# KiCad board Scopefun_v2.kicad_pcb (continued)
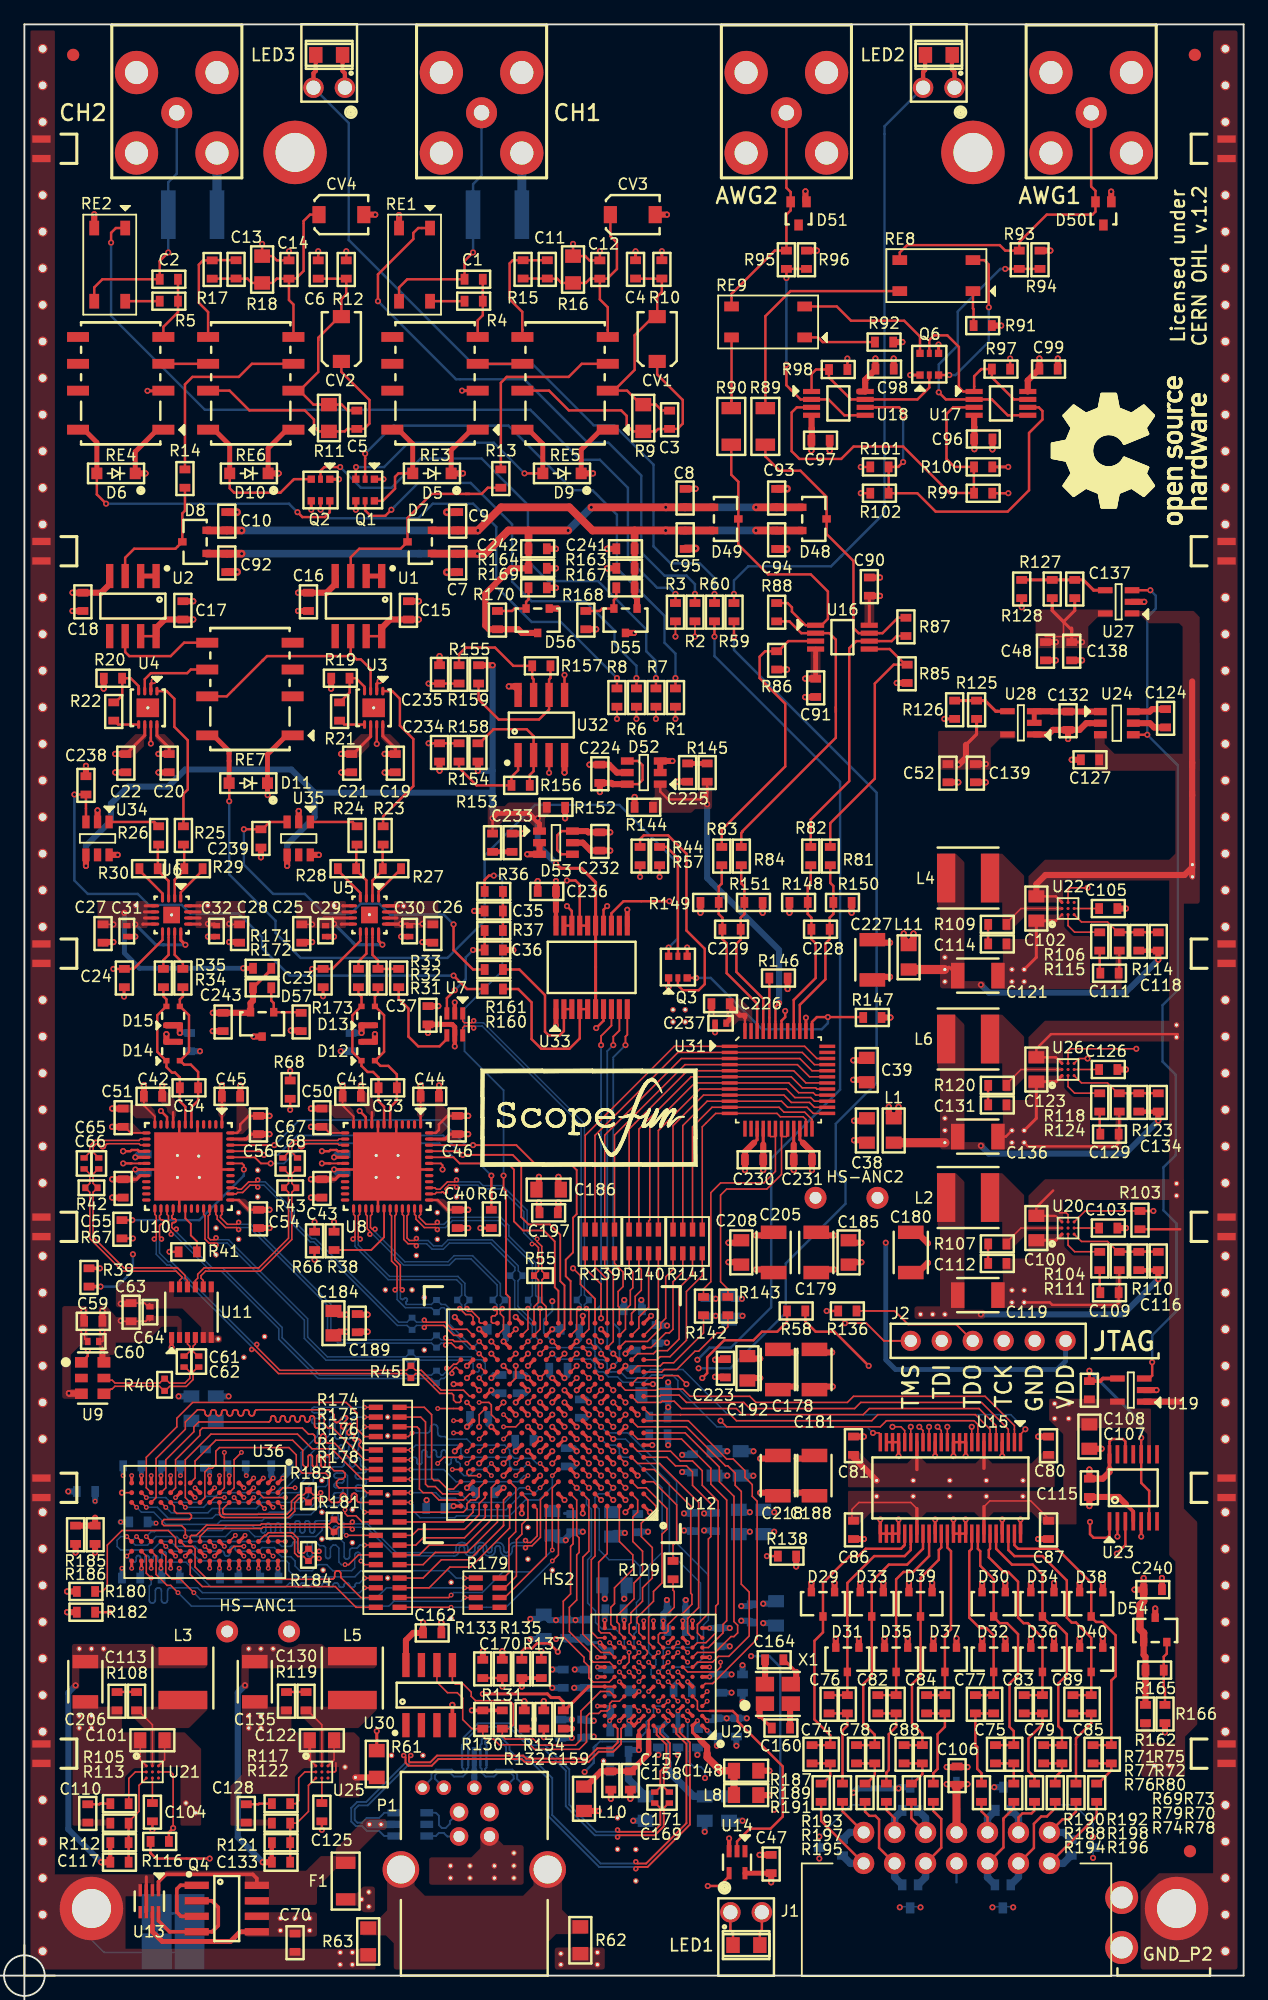
[diagram p0: board, top side]
## Placement (name value [footprint] x y rotation side) (continued)
R139  RA_27R  [R_CRA06E]  47.2 60.2 90 top
R140  RA_27R  [R_CRA06E]  50.8 60.2 90 top
R141  RA_27R  [R_CRA06E]  54.4 60.2 90 top
R142  R_56R  [R_0603]  55.7 54.9 0 top
R143  R_56R  [R_0603]  57.7 54.9 0 top
R144  R_1.02k  [R_0603]  50.8 95.8 270 top
R145  R_56R  [R_0603]  56 98.65 180 top
R146  R_4k7  [R_0603]  61.85 81.8 270 top
R147  R_4k7  [R_0603]  69.55 78.57 270 top
R148  R_100R  [R_0603]  63.5 88 270 top
R149  R_100R  [R_0603]  56.2 88 270 top
R150  R_100R  [R_0603]  67.1 88 90 top
R151  R_100R  [R_0603]  59.8 88 90 top
R152  R_1.02k  [R_0603]  43.6 95.8 90 top
R153  R_56R  [R_0603]  38.4 92.9 0 top
R154  R_1.02k  [R_0603]  37.2 100.3 0 top
R155  R_1.02k  [R_0603]  37.25 106.7 180 top
R156  R_1.02k  [R_0603]  40.7 97.6 90 top
R157  R_1.02k  [R_0603]  42.4 107.4 90 top
R158  R_1.02k  [R_0603]  35.65 100.3 0 top
R159  R_1.02k  [R_0603]  35.65 106.7 180 top
R160  R_1.02k  [R_0603]  38.5 80.9 90 top
R161  R_1.02k  [R_0603]  38.5 82.5 90 top
R162  R_1.02k  [R_0603]  91.95 21.45 0 top
R163  R_1.02k  [R_0603]  49.3 115.4 270 top
R164  R_1.02k  [R_0603]  42.1 115.4 90 top
R165  R_6.8k  [R_0603]  92.7 25.05 90 top
R166  R_22k  [R_0603]  93.55 21.45 0 top
R167  R_1.02k  [R_0603]  49.3 113.8 270 top
R168  R_6.8k  [R_0603]  46.05 111.15 0 top
R169  R_1.02k  [R_0603]  42.1 113.8 270 top
R170  R_6.8k  [R_0603]  38.8 111.15 0 top
R171  R_1.02k  [R_0603]  19.5 82.6 270 top
R172  R_200R  [R_0603]  19.5 81 90 top
R173  R_1.02k  [R_0603]  22.7 78.2 0 top
R174  RA_27R  [R_CRA06E]  29.8 45.4 180 top
R175  RA_27R  [R_CRA06E]  29.8 41.9 180 top
R176  RA_27R  [R_CRA06E]  29.8 38.4 180 top
R177  RA_27R  [R_CRA06E]  29.8 34.9 180 top
R178  RA_27R  [R_CRA06E]  29.8 31.4 180 top
R179  RA_27R  [R_CRA06E]  38 31.4 180 top
R180  R_240R  [R_0603]  5.05 31.5 270 top
R181  R_100  [R_0402]  25.4 36.9 180 top
R182  R_4k7  [R_0603]  5.05 29.8 270 top
R183  R_100  [R_0402]  23.3 39.3 0 top
R184  R_100  [R_0402]  23.3 34.5 0 top
R185  R_1.02k  [R_0603]  5.8 36.15 180 top
R186  R_1.02k  [R_0603]  4.2 36.15 0 top
R187  R_56R  [R_0603]  65.35 15 0 top
R188  R_56R  [R_0603]  81.15 15 0 top
R189  R_56R  [R_0603]  67.1 15 0 top
R190  R_56R  [R_0603]  78.5 15 0 top
R191  R_56R  [R_0603]  68.95 15 0 top
R192  R_56R  [R_0603]  84.55 15 0 top
R193  R_56R  [R_0603]  70.7 15 0 top
R194  R_56R  [R_0603]  82.85 15 0 top
R195  R_56R  [R_0603]  74.55 15 0 top
R196  R_56R  [R_0603]  87.95 15 0 top
R197  R_56R  [R_0603]  72.75 15 0 top
R198  R_56R  [R_0603]  86.25 15 0 top
RE1  AQY282SX  [SOP-4]  32 140.3 90 top
RE2  AQY282SX  [SOP-4]  7 140.3 90 top
RE3  G6K-2F-Y-DC4.5  [G6K-2F-Y]  33.68 130.57 180 top
RE4  G6K-2F-Y-DC4.5  [G6K-2F-Y]  7.9 130.57 180 top
RE5  G6K-2F-Y-DC4.5  [G6K-2F-Y]  44.35 130.57 180 top
RE6  G6K-2F-Y-DC4.5  [G6K-2F-Y]  18.57 130.57 180 top
RE7  G6K-2F-Y-DC4.5  [G6K-2F-Y]  18.5 105.5 180 top
RE8  AQY282SX  [SOP-4]  74.8 139.4 0 top
RE9  AQY282SX  [SOP-4]  61 135.6 0 top
SHLD1  SHLD_FINGER_0820  [EMI_SHLD_FINGER_0820]  1.4 18.2 90 top
SHLD2  SHLD_FINGER_0820  [EMI_SHLD_FINGER_0820]  98.6 18.2 270 top
SHLD3  SHLD_FINGER_0820  [EMI_SHLD_FINGER_0820]  1.4 40 90 top
SHLD4  SHLD_FINGER_0820  [EMI_SHLD_FINGER_0820]  98.6 40 270 top
SHLD5  SHLD_FINGER_0820  [EMI_SHLD_FINGER_0820]  1.4 61.4 90 top
SHLD6  SHLD_FINGER_0820  [EMI_SHLD_FINGER_0820]  98.6 61.4 270 top
SHLD7  SHLD_FINGER_0820  [EMI_SHLD_FINGER_0820]  1.4 83.8 90 top
SHLD8  SHLD_FINGER_0820  [EMI_SHLD_FINGER_0820]  98.6 83.8 270 top
SHLD9  SHLD_FINGER_0820  [EMI_SHLD_FINGER_0820]  1.4 116.8 90 top
SHLD10  SHLD_FINGER_0820  [EMI_SHLD_FINGER_0820]  98.6 116.8 270 top
SHLD11  SHLD_FINGER_0820  [EMI_SHLD_FINGER_0820]  1.4 149.8 90 top
SHLD12  SHLD_FINGER_0820  [EMI_SHLD_FINGER_0820]  98.6 149.8 270 top
SLP1  SLP3-300-100-F  [SLP3-300-100-R]  59.2 2.5 270 top
SLP2  SLP3-300-100-F  [SLP3-300-100-R]  75 157.5 90 top
SLP3  SLP3-300-100-F  [SLP3-300-100-R]  25 157.5 90 top
U1  ADA4817-1  [SOIC8]  27.4 112.3 270 top
U2  ADA4817-1  [SOIC8]  8.9 112.3 270 top
U3  AD8337  [CP-8-2]  28.65 103.96 0 top
U4  AD8337  [CP-8-2]  10.12 103.96 0 top
U5  ADA4932-1  [CP-16-2]  28.3 86.97 0 top
U6  ADA4932-1  [CP-16-2]  12.08 86.97 0 top
U7  LTC6754  [SC70-6]  35.3 78 0 top
U8  KAD5510P-25Q48  [L48.7x7E]  29.75 66.35 270 top
U9  SG3225VAN-250Mhz  [3.2X2.5_SMD_6_EPSON]  5.6 49 0 top
U10  KAD5510P-25Q48  [L48.7x7E]  13.45 66.35 270 top
U11  LTC6957-2  [12-MSOP]  13.7 54.4 90 top
U12  XC7A35T-FTG256  [BGA256_FTG256]  43.3 46 270 top
U13  LTC4360-1  [SC70]  10.25 6.1 0 top
U14  SN74AUP1T17DCKR  [SC70-5]  58.45 9.3 180 top
U15  74AVCH16T245  [TSSOP48]  75.95 39.99 270 top
U16  OPA2830  [TSSOP8]  67.09 109.75 0 top
U17  LM393DGK  [TSSOP8]  80.1 128.92 0 top
U18  LM393DGK  [TSSOP8]  66.76 128.92 0 top
U19  SPX3819  [SOT23-5_EXAR]  90.75 48.01 270 top
U20  MAX15053  [WLP-9]  85.6 61.3 90 top
U21  MAX15053  [WLP-9]  10.5 16.7 0 top
U22  MAX15053  [WLP-9]  85.6 87.5 90 top
U23  MCP4251  [TSSOP14]  90.95 40 90 top
U24  LM2776  [SOT23-6]  89.6 102.7 270 top
U25  MAX15053  [WLP-9]  24.4 16.7 0 top
U26  MAX15053  [WLP-9]  85.6 74.3 90 top
U27  SPX3819  [SOT23-5_EXAR]  89.75 112.65 270 top
U28  TPS72301  [SOT23-5]  81.73 102.73 90 top
U29  CYUSB3014  [BGA121_0.8mm]  51.6 24.5 180 top
U30  M24M02-DR  [SOIC8]  33.2 23 90 top
U31  DAC5662  [S-PQFP-G48]  61.85 73.45 90 top
U32  AZ4558C  [SOIC8]  42.4 102.55 90 top
U33  MAX5501  [SSOP20]  46.53 82.68 90 top
U34  OPA692  [SOT23-6]  6 93.25 180 top
U35  OPA692  [SOT23-6]  22.5 93.25 180 top
U36  IS43TR16256A-125KBL  [TW-BGA-96]  14.8 37.2 270 top
VIA  VIA-0.5-0.3mm  [VIA-0.5mm-0.3mm]  21 4.7 0 top
VIA#2  VIA-0.5-0.3mm  [VIA-0.5mm-0.3mm]  13.25 14.15 0 top
VIA#3  VIA-0.8-0.6mm  [VIA-0.8mm-0.6mm]  1.5 2 0 top
VIA#4  VIA-0.8-0.6mm  [VIA-0.8mm-0.6mm]  1.5 5 0 top
VIA#5  VIA-0.8-0.6mm  [VIA-0.8mm-0.6mm]  1.5 8 0 top
VIA#6  VIA-0.8-0.6mm  [VIA-0.8mm-0.6mm]  1.5 11 0 top
VIA#7  VIA-0.8-0.6mm  [VIA-0.8mm-0.6mm]  1.5 14.4 0 top
VIA#8  VIA-0.8-0.6mm  [VIA-0.8mm-0.6mm]  1.5 20 0 top
VIA#9  VIA-0.8-0.6mm  [VIA-0.8mm-0.6mm]  1.5 23 0 top
VIA#10  VIA-0.8-0.6mm  [VIA-0.8mm-0.6mm]  1.5 26 0 top
VIA#11  VIA-0.8-0.6mm  [VIA-0.8mm-0.6mm]  1.5 29 0 top
VIA#12  VIA-0.8-0.6mm  [VIA-0.8mm-0.6mm]  1.5 32 0 top
VIA#13  VIA-0.8-0.6mm  [VIA-0.8mm-0.6mm]  1.5 35 0 top
VIA#14  VIA-0.8-0.6mm  [VIA-0.8mm-0.6mm]  1.5 38 0 top
VIA#15  VIA-0.8-0.6mm  [VIA-0.8mm-0.6mm]  1.5 47 0 top
VIA#16  VIA-0.8-0.6mm  [VIA-0.8mm-0.6mm]  1.5 50 0 top
VIA#17  VIA-0.8-0.6mm  [VIA-0.8mm-0.6mm]  1.5 53 0 top
VIA#18  VIA-0.8-0.6mm  [VIA-0.8mm-0.6mm]  1.5 56 0 top
VIA#19  VIA-0.8-0.6mm  [VIA-0.8mm-0.6mm]  1.5 59 0 top
VIA#20  VIA-0.8-0.6mm  [VIA-0.8mm-0.6mm]  1.5 65 0 top
VIA#21  VIA-0.8-0.6mm  [VIA-0.8mm-0.6mm]  1.5 68 0 top
VIA#22  VIA-0.8-0.6mm  [VIA-0.8mm-0.6mm]  1.5 71 0 top
VIA#23  VIA-0.8-0.6mm  [VIA-0.8mm-0.6mm]  1.5 74 0 top
VIA#24  VIA-0.8-0.6mm  [VIA-0.8mm-0.6mm]  1.5 77 0 top
VIA#25  VIA-0.8-0.6mm  [VIA-0.8mm-0.6mm]  1.5 80 0 top
VIA#26  VIA-0.8-0.6mm  [VIA-0.8mm-0.6mm]  1.5 86 0 top
VIA#27  VIA-0.8-0.6mm  [VIA-0.8mm-0.6mm]  1.5 89 0 top
VIA#28  VIA-0.8-0.6mm  [VIA-0.8mm-0.6mm]  1.5 92 0 top
VIA#29  VIA-0.8-0.6mm  [VIA-0.8mm-0.6mm]  1.5 95 0 top
VIA#30  VIA-0.8-0.6mm  [VIA-0.8mm-0.6mm]  1.5 98 0 top
VIA#31  VIA-0.8-0.6mm  [VIA-0.8mm-0.6mm]  1.5 101 0 top
VIA#32  VIA-0.8-0.6mm  [VIA-0.8mm-0.6mm]  1.5 104 0 top
VIA#33  VIA-0.8-0.6mm  [VIA-0.8mm-0.6mm]  1.5 107 0 top
VIA#34  VIA-0.8-0.6mm  [VIA-0.8mm-0.6mm]  1.5 110 0 top
VIA#35  VIA-0.8-0.6mm  [VIA-0.8mm-0.6mm]  1.5 113 0 top
VIA#36  VIA-0.8-0.6mm  [VIA-0.8mm-0.6mm]  1.5 119 0 top
VIA#37  VIA-0.8-0.6mm  [VIA-0.8mm-0.6mm]  1.5 122 0 top
VIA#38  VIA-0.8-0.6mm  [VIA-0.8mm-0.6mm]  1.5 125 0 top
VIA#39  VIA-0.8-0.6mm  [VIA-0.8mm-0.6mm]  1.5 128 0 top
VIA#40  VIA-0.8-0.6mm  [VIA-0.8mm-0.6mm]  1.5 131 0 top
VIA#41  VIA-0.8-0.6mm  [VIA-0.8mm-0.6mm]  1.5 134 0 top
VIA#42  VIA-0.8-0.6mm  [VIA-0.8mm-0.6mm]  1.5 137 0 top
VIA#43  VIA-0.8-0.6mm  [VIA-0.8mm-0.6mm]  1.5 140 0 top
VIA#44  VIA-0.8-0.6mm  [VIA-0.8mm-0.6mm]  1.5 143 0 top
VIA#45  VIA-0.8-0.6mm  [VIA-0.8mm-0.6mm]  1.5 152 0 top
VIA#46  VIA-0.8-0.6mm  [VIA-0.8mm-0.6mm]  1.5 155 0 top
VIA#47  VIA-0.8-0.6mm  [VIA-0.8mm-0.6mm]  1.5 158 0 top
VIA#48  VIA-0.8-0.6mm  [VIA-0.8mm-0.6mm]  98.5 2 0 top
VIA#49  VIA-0.8-0.6mm  [VIA-0.8mm-0.6mm]  98.5 5 0 top
VIA#50  VIA-0.8-0.6mm  [VIA-0.8mm-0.6mm]  98.5 8 0 top
VIA#51  VIA-0.8-0.6mm  [VIA-0.8mm-0.6mm]  98.5 11 0 top
VIA#52  VIA-0.8-0.6mm  [VIA-0.8mm-0.6mm]  98.5 14 0 top
VIA#53  VIA-0.8-0.6mm  [VIA-0.8mm-0.6mm]  98.5 20 0 top
VIA#54  VIA-0.8-0.6mm  [VIA-0.8mm-0.6mm]  98.5 23 0 top
VIA#55  VIA-0.8-0.6mm  [VIA-0.8mm-0.6mm]  98.5 26 0 top
VIA#56  VIA-0.8-0.6mm  [VIA-0.8mm-0.6mm]  98.5 29 0 top
VIA#57  VIA-0.8-0.6mm  [VIA-0.8mm-0.6mm]  98.5 32 0 top
VIA#58  VIA-0.8-0.6mm  [VIA-0.8mm-0.6mm]  98.5 35 0 top
VIA#59  VIA-0.8-0.6mm  [VIA-0.8mm-0.6mm]  98.5 38 0 top
VIA#60  VIA-0.8-0.6mm  [VIA-0.8mm-0.6mm]  98.5 44 0 top
VIA#61  VIA-0.8-0.6mm  [VIA-0.8mm-0.6mm]  98.5 47 0 top
VIA#62  VIA-0.8-0.6mm  [VIA-0.8mm-0.6mm]  98.5 50 0 top
VIA#63  VIA-0.8-0.6mm  [VIA-0.8mm-0.6mm]  98.5 53 0 top
VIA#64  VIA-0.8-0.6mm  [VIA-0.8mm-0.6mm]  98.5 56 0 top
VIA#65  VIA-0.8-0.6mm  [VIA-0.8mm-0.6mm]  98.5 59 0 top
VIA#66  VIA-0.8-0.6mm  [VIA-0.8mm-0.6mm]  98.5 65 0 top
VIA#67  VIA-0.8-0.6mm  [VIA-0.8mm-0.6mm]  98.5 68 0 top
VIA#68  VIA-0.8-0.6mm  [VIA-0.8mm-0.6mm]  98.5 71 0 top
VIA#69  VIA-0.8-0.6mm  [VIA-0.8mm-0.6mm]  98.5 74 0 top
VIA#70  VIA-0.8-0.6mm  [VIA-0.8mm-0.6mm]  98.5 77 0 top
VIA#71  VIA-0.8-0.6mm  [VIA-0.8mm-0.6mm]  98.5 80 0 top
VIA#72  VIA-0.8-0.6mm  [VIA-0.8mm-0.6mm]  98.5 86 0 top
VIA#73  VIA-0.8-0.6mm  [VIA-0.8mm-0.6mm]  98.5 89 0 top
VIA#74  VIA-0.8-0.6mm  [VIA-0.8mm-0.6mm]  98.5 92 0 top
VIA#75  VIA-0.8-0.6mm  [VIA-0.8mm-0.6mm]  98.5 95 0 top
VIA#76  VIA-0.8-0.6mm  [VIA-0.8mm-0.6mm]  98.5 98 0 top
VIA#77  VIA-0.8-0.6mm  [VIA-0.8mm-0.6mm]  98.5 101 0 top
VIA#78  VIA-0.8-0.6mm  [VIA-0.8mm-0.6mm]  98.5 104 0 top
VIA#79  VIA-0.8-0.6mm  [VIA-0.8mm-0.6mm]  98.5 107 0 top
VIA#80  VIA-0.8-0.6mm  [VIA-0.8mm-0.6mm]  98.5 110 0 top
VIA#81  VIA-0.8-0.6mm  [VIA-0.8mm-0.6mm]  98.5 113 0 top
VIA#82  VIA-0.8-0.6mm  [VIA-0.8mm-0.6mm]  98.5 119 0 top
VIA#83  VIA-0.8-0.6mm  [VIA-0.8mm-0.6mm]  98.5 122 0 top
VIA#84  VIA-0.8-0.6mm  [VIA-0.8mm-0.6mm]  98.5 125 0 top
VIA#85  VIA-0.8-0.6mm  [VIA-0.8mm-0.6mm]  98.5 128 0 top
VIA#86  VIA-0.8-0.6mm  [VIA-0.8mm-0.6mm]  98.5 131 0 top
VIA#87  VIA-0.8-0.6mm  [VIA-0.8mm-0.6mm]  98.5 134 0 top
VIA#88  VIA-0.8-0.6mm  [VIA-0.8mm-0.6mm]  98.5 137 0 top
VIA#89  VIA-0.8-0.6mm  [VIA-0.8mm-0.6mm]  98.5 140 0 top
VIA#90  VIA-0.8-0.6mm  [VIA-0.8mm-0.6mm]  98.5 143 0 top
VIA#91  VIA-0.8-0.6mm  [VIA-0.8mm-0.6mm]  98.5 146 0 top
VIA#92  VIA-0.8-0.6mm  [VIA-0.8mm-0.6mm]  98.5 152 0 top
VIA#93  VIA-0.8-0.6mm  [VIA-0.8mm-0.6mm]  98.5 155 0 top
VIA#94  VIA-0.8-0.6mm  [VIA-0.8mm-0.6mm]  98.5 158 0 top
VIA#95  VIA-0.45-0.25mm  [VIA-0.5mm-0.3mm]  81.9 40.6 0 top
VIA#96  VIA-0.45-0.25mm  [VIA-0.5mm-0.3mm]  78.9 40.6 0 top
VIA#97  VIA-0.45-0.25mm  [VIA-0.5mm-0.3mm]  75.9 40.6 0 top
VIA#98  VIA-0.45-0.25mm  [VIA-0.5mm-0.3mm]  72.9 40.6 0 top
VIA#99  VIA-0.45-0.25mm  [VIA-0.5mm-0.3mm]  69.9 40.6 0 top
VIA#100  VIA-0.45-0.25mm  [VIA-0.5mm-0.3mm]  81.9 39.3 0 top
VIA#101  VIA-0.45-0.25mm  [VIA-0.5mm-0.3mm]  78.9 39.3 0 top
VIA#102  VIA-0.45-0.25mm  [VIA-0.5mm-0.3mm]  75.9 39.3 0 top
VIA#103  VIA-0.45-0.25mm  [VIA-0.5mm-0.3mm]  72.9 39.3 0 top
VIA#104  VIA-0.45-0.25mm  [VIA-0.5mm-0.3mm]  69.9 39.3 0 top
VIA#105  VIA-0.45-0.25mm  [VIA-0.5mm-0.3mm]  85.65 45.68 0 top
VIA#106  VIA-0.45-0.25mm  [VIA-0.5mm-0.3mm]  28.25 5.65 90 top
VIA#107  VIA-0.45-0.25mm  [VIA-0.5mm-0.3mm]  28.25 6.85 90 top
VIA#108  VIA-0.45-0.25mm  [VIA-0.45mm-0.25mm]  15.9 52.2 0 top
VIA#109  VIA-0.45-0.25mm  [VIA-0.45mm-0.25mm]  75.5 54.22 90 top
VIA#110  VIA-0.45-0.25mm  [VIA-0.45mm-0.25mm]  75.5 68.3 0 top
VIA#111  VIA-0.45-0.25mm  [VIA-0.45mm-0.25mm]  75.5 69.3 0 top
VIA#112  VIA-0.45-0.25mm  [VIA-0.45mm-0.25mm]  74.5 54.22 90 top
VIA#113  VIA-0.45-0.25mm  [VIA-0.5mm-0.3mm]  4.5 21.3 0 top
VIA#114  VIA-0.45-0.25mm  [VIA-0.5mm-0.3mm]  5.5 21.3 0 top
VIA#115  VIA-0.45-0.25mm  [VIA-0.5mm-0.3mm]  4.5 20.3 0 top
VIA#116  VIA-0.45-0.25mm  [VIA-0.5mm-0.3mm]  5.5 20.3 0 top
VIA#117  VIA-0.45-0.25mm  [VIA-0.5mm-0.3mm]  19.4 20.3 0 top
VIA#118  VIA-0.45-0.25mm  [VIA-0.5mm-0.3mm]  18.4 21.3 0 top
VIA#119  VIA-0.45-0.25mm  [VIA-0.5mm-0.3mm]  18.4 20.3 0 top
VIA#120  VIA-0.45-0.25mm  [VIA-0.5mm-0.3mm]  19.4 21.3 0 top
VIA#121  VIA-0.45-0.25mm  [VIA-0.5mm-0.3mm]  82 55.2 0 top
VIA#122  VIA-0.45-0.25mm  [VIA-0.5mm-0.3mm]  81 56.2 0 top
VIA#123  VIA-0.45-0.25mm  [VIA-0.5mm-0.3mm]  81 55.2 0 top
VIA#124  VIA-0.45-0.25mm  [VIA-0.5mm-0.3mm]  82 56.2 0 top
VIA#125  VIA-0.45-0.25mm  [VIA-0.5mm-0.3mm]  82 68.3 0 top
VIA#126  VIA-0.45-0.25mm  [VIA-0.5mm-0.3mm]  82 69.3 0 top
VIA#127  VIA-0.45-0.25mm  [VIA-0.5mm-0.3mm]  81 69.3 0 top
VIA#128  VIA-0.45-0.25mm  [VIA-0.5mm-0.3mm]  81 68.3 0 top
VIA#129  VIA-0.45-0.25mm  [VIA-0.5mm-0.3mm]  81 82.5 0 top
VIA#130  VIA-0.45-0.25mm  [VIA-0.5mm-0.3mm]  81 81.5 0 top
VIA#131  VIA-0.45-0.25mm  [VIA-0.5mm-0.3mm]  82 82.5 0 top
VIA#132  VIA-0.45-0.25mm  [VIA-0.5mm-0.3mm]  82 81.5 0 top
VIA#133  VIA-0.45-0.25mm  [VIA-0.45mm-0.25mm]  73.5 54.22 90 top
VIA#134  VIA-0.45-0.25mm  [VIA-0.45mm-0.25mm]  75.5 70.3 0 top
VIA#135  VIA-0.45-0.25mm  [VIA-0.45mm-0.25mm]  75.5 82.5 0 top
VIA#136  VIA-0.45-0.25mm  [VIA-0.45mm-0.25mm]  75.5 81.5 0 top
VIA#137  VIA-0.45-0.25mm  [VIA-0.45mm-0.25mm]  75.5 83.5 0 top
VIA#138  VIA-0.45-0.25mm  [VIA-0.45mm-0.25mm]  18.4 26.8 270 top
VIA#139  VIA-0.45-0.25mm  [VIA-0.45mm-0.25mm]  19.4 26.8 270 top
VIA#140  VIA-0.45-0.25mm  [VIA-0.45mm-0.25mm]  20.4 26.8 270 top
VIA#141  VIA-0.45-0.25mm  [VIA-0.45mm-0.25mm]  4.5 26.8 270 top
VIA#142  VIA-0.45-0.25mm  [VIA-0.45mm-0.25mm]  5.5 26.8 270 top
VIA#143  VIA-0.45-0.25mm  [VIA-0.45mm-0.25mm]  6.5 26.8 270 top
VIA#144  VIA-0.5-0.3mm  [VIA-0.5mm-0.3mm]  14.05 13.35 0 top
VIA#145  VIA-0.5-0.3mm  [VIA-0.5mm-0.3mm]  27.15 16.25 0 top
VIA#146  VIA-0.5-0.3mm  [VIA-0.5mm-0.3mm]  26.3 17.1 0 top
VIA#147  VIA-0.45-0.25mm  [VIA-0.5mm-0.3mm]  26.9 1.9 0 top
VIA#148  VIA-0.45-0.25mm  [VIA-0.5mm-0.3mm]  26.9 0.9 0 top
VIA#149  VIA-0.45-0.25mm  [VIA-0.5mm-0.3mm]  85.65 46.9 0 top
VIA#150  VIA-0.45-0.25mm  [VIA-0.5mm-0.3mm]  12.55 67.25 0 top
VIA#151  VIA-0.45-0.25mm  [VIA-0.5mm-0.3mm]  12.08 86.97 0 top
VIA#152  VIA-0.45-0.25mm  [VIA-0.5mm-0.3mm]  28.3 87 0 top
VIA#153  VIA-0.45-0.25mm  [VIA-0.5mm-0.3mm]  10.12 103.96 0 top
VIA#154  VIA-0.45-0.25mm  [VIA-0.5mm-0.3mm]  28.65 103.96 0 top
VIA#155  VIA-0.45-0.25mm  [VIA-0.45mm-0.25mm]  32.8 51.3 0 top
VIA#156  VIA-0.45-0.25mm  [VIA-0.45mm-0.25mm]  32.8 55.6 0 top
VIA#157  VIA-0.45-0.25mm  [VIA-0.45mm-0.25mm]  9.15 87.75 0 top
VIA#158  VIA-0.45-0.25mm  [VIA-0.45mm-0.25mm]  25.4 87.73 0 top
VIA#159  VIA-0.45-0.25mm  [VIA-0.45mm-0.25mm]  31.1 87.7 0 top
VIA#160  VIA-0.45-0.25mm  [VIA-0.45mm-0.25mm]  15.05 87.75 0 top
VIA#161  VIA-0.45-0.25mm  [VIA-0.45mm-0.25mm]  53.2 79.2 0 top
VIA#162  VIA-0.45-0.25mm  [VIA-0.45mm-0.25mm]  54.2 79.2 0 top
VIA#163  VIA-0.45-0.25mm  [VIA-0.45mm-0.25mm]  53.2 78.2 0 top
VIA#164  VIA-0.45-0.25mm  [VIA-0.45mm-0.25mm]  54.2 78.2 0 top
VIA#165  VIA-0.5-0.3mm  [VIA-0.5mm-0.3mm]  23.4 4.7 0 top
VIA#166  VIA-0.5-0.3mm  [VIA-0.5mm-0.3mm]  23.4 3.7 0 top
VIA#167  VIA-0.5-0.3mm  [VIA-0.5mm-0.3mm]  21 3.7 0 top
VIA#168  VIA-0.45-0.25mm  [VIA-0.5mm-0.3mm]  25.9 1.9 0 top
VIA#169  VIA-0.5-0.3mm  [VIA-0.5mm-0.3mm]  22.2 4.7 0 top
VIA#170  VIA-0.5-0.3mm  [VIA-0.5mm-0.3mm]  92.7 17.2 0 top
VIA#171  VIA-0.5-0.3mm  [VIA-0.5mm-0.3mm]  93.9 17.2 0 top
VIA#172  VIA-0.45-0.25mm  [VIA-0.5mm-0.3mm]  27.65 6.25 90 top
VIA#173  VIA-0.45-0.25mm  [VIA-0.5mm-0.3mm]  25.9 0.9 0 top
VIA#174  VIA-0.5-0.3mm  [VIA-0.5mm-0.3mm]  94.5 63.95 0 top
VIA#175  VIA-0.5-0.3mm  [VIA-0.5mm-0.3mm]  94.5 64.95 0 top
VIA#176  VIA-0.5-0.3mm  [VIA-0.5mm-0.3mm]  94.5 76.95 0 top
VIA#177  VIA-0.5-0.3mm  [VIA-0.5mm-0.3mm]  94.5 77.95 0 top
VIA#178  VIA-0.5-0.3mm  [VIA-0.5mm-0.3mm]  95.8 91.1 0 top
VIA#179  VIA-0.5-0.3mm  [VIA-0.5mm-0.3mm]  95.8 90.1 0 top
VIA#180  VIA-0.8-0.6mm  [VIA-0.8mm-0.6mm]  1.5 146 0 top
VIA#181  VIA-0.8-0.6mm  [VIA-0.8mm-0.6mm]  1.5 44 0 top
VIA#182  VIA-0.45-0.25mm  [VIA-0.5mm-0.3mm]  47.5 17.6 0 top
VIA#183  VIA-0.45-0.25mm  [VIA-0.5mm-0.3mm]  47 1.9 0 top
VIA#184  VIA-0.45-0.25mm  [VIA-0.5mm-0.3mm]  47 0.9 0 top
VIA#185  VIA-0.45-0.25mm  [VIA-0.5mm-0.3mm]  44 1.8 0 top
VIA#186  VIA-0.45-0.25mm  [VIA-0.5mm-0.3mm]  44 0.9 0 top
VIA#187  VIA-0.45-0.25mm  [VIA-0.5mm-0.3mm]  40.15 10.05 0 top
VIA#188  VIA-0.45-0.25mm  [VIA-0.5mm-0.3mm]  40.15 9 0 top
VIA#189  VIA-0.45-0.25mm  [VIA-0.5mm-0.3mm]  38.55 9 0 top
VIA#190  VIA-0.45-0.25mm  [VIA-0.5mm-0.3mm]  40.15 8 0 top
VIA#191  VIA-0.45-0.25mm  [VIA-0.5mm-0.3mm]  38.55 8 0 top
VIA#192  VIA-0.45-0.25mm  [VIA-0.5mm-0.3mm]  36.55 9 0 top
VIA#193  VIA-0.45-0.25mm  [VIA-0.5mm-0.3mm]  36.55 8 0 top
VIA#194  VIA-0.45-0.25mm  [VIA-0.5mm-0.3mm]  34.95 9 0 top
VIA#195  VIA-0.45-0.25mm  [VIA-0.5mm-0.3mm]  34.95 8 0 top
VIA#196  VIA-0.5-0.3mm  [VIA-0.5mm-0.3mm]  29.25 12.4 0 top
VIA#197  VIA-0.5-0.3mm  [VIA-0.5mm-0.3mm]  28.3 12.4 0 top
VIA#198  VIA-0.45-0.25mm  [VIA-0.45mm-0.25mm]  48.65 12.94 0 top
VIA#199  VIA-0.45-0.25mm  [VIA-0.45mm-0.25mm]  50.15 10.34 0 top
VIA#200  VIA-0.45-0.25mm  [VIA-0.45mm-0.25mm]  48.65 10.36 0 top
VIA#201  VIA-0.45-0.25mm  [VIA-0.45mm-0.25mm]  50.15 7.76 0 top
VIA#202  VIA-0.45-0.25mm  [VIA-0.45mm-0.25mm]  32.69 18.05 0 top
VIA#203  VIA-0.45-0.25mm  [VIA-0.45mm-0.25mm]  30.11 18.05 0 top
VIA#204  VIA-0.45-0.25mm  [VIA-0.5mm-0.3mm]  84.5 45.68 0 top
VIA#205  VIA-0.45-0.25mm  [VIA-0.5mm-0.3mm]  28.85 67.25 0 top
VIA#206  VIA-0.45-0.25mm  [VIA-0.5mm-0.3mm]  30.65 67.25 0 top
VIA#207  VIA-0.45-0.25mm  [VIA-0.5mm-0.3mm]  30.65 65.45 0 top
VIA#208  VIA-0.45-0.25mm  [VIA-0.5mm-0.3mm]  28.85 65.45 0 top
VIA#209  VIA-0.45-0.25mm  [VIA-0.5mm-0.3mm]  14.3 67.2 0 top
VIA#210  VIA-0.45-0.25mm  [VIA-0.5mm-0.3mm]  12.55 65.45 0 top
VIA#211  VIA-0.45-0.25mm  [VIA-0.5mm-0.3mm]  14.35 65.45 0 top
VIA#212  VIA-0.45-0.25mm  [VIA-0.5mm-0.3mm]  84.5 46.9 0 top
VIA#213  VIA-0.45-0.25mm  [VIA-0.5mm-0.3mm]  35.44 66.05 0 top
VIA#214  VIA-0.45-0.25mm  [VIA-0.5mm-0.3mm]  35.44 63.85 0 top
VIA#215  VIA-0.45-0.25mm  [VIA-0.5mm-0.3mm]  33.87 62.57 0 top
VIA#216  VIA-0.45-0.25mm  [VIA-0.5mm-0.3mm]  33.87 60.38 0 top
VIA#217  VIA-0.45-0.25mm  [VIA-0.5mm-0.3mm]  15.72 61.3 0 top
VIA#218  VIA-0.45-0.25mm  [VIA-0.5mm-0.3mm]  15.72 59.11 0 top
VIA#219  VIA-0.45-0.25mm  [VIA-0.5mm-0.3mm]  31.8 56.23 90 top
VIA#220  VIA-0.45-0.25mm  [VIA-0.5mm-0.3mm]  29.6 56.23 90 top
VIA#221  VIA-0.45-0.25mm  [VIA-0.5mm-0.3mm]  17.57 60.38 0 top
VIA#222  VIA-0.45-0.25mm  [VIA-0.5mm-0.3mm]  17.57 62.57 0 top
VIA#223  VIA-0.45-0.25mm  [VIA-0.5mm-0.3mm]  19.14 63.85 0 top
VIA#224  VIA-0.45-0.25mm  [VIA-0.5mm-0.3mm]  32.15 61.24 0 top
VIA#225  VIA-0.45-0.25mm  [VIA-0.5mm-0.3mm]  32.15 59.05 0 top
VIA#226  VIA-0.45-0.25mm  [VIA-0.5mm-0.3mm]  18 50.7 0 top
VIA#227  VIA-0.45-0.25mm  [VIA-0.5mm-0.3mm]  19.7 52.4 0 top
VIA#228  VIA-0.45-0.25mm  [VIA-0.5mm-0.3mm]  19.14 66.05 0 top
VIA_DG  VIA-0.45-0.25mm  [VIA-0.45mm-0.25mm]  24.4 40.6 0 top
VIA_DG#2  VIA-0.45-0.25mm  [VIA-0.45mm-0.25mm]  24.4 38 0 top
VIA_DG#3  VIA-0.45-0.25mm  [VIA-0.45mm-0.25mm]  26.9 38.2 0 top
VIA_DG#4  VIA-0.45-0.25mm  [VIA-0.45mm-0.25mm]  26.9 35.5 0 top
VIA_DG#5  VIA-0.45-0.25mm  [VIA-0.45mm-0.25mm]  24.4 35.8 0 top
VIA_DG#6  VIA-0.45-0.25mm  [VIA-0.45mm-0.25mm]  24.5 33.25 0 top
VIA_DG#7  VIA-0.45-0.25mm  [VIA-0.45mm-0.25mm]  41.3 36.75 0 top
VIA_DG#8  VIA-0.45-0.25mm  [VIA-0.45mm-0.25mm]  41.3 34.15 0 top
VIA_DG#9  VIA-0.45-0.25mm  [VIA-0.45mm-0.25mm]  29.8 45.8 0 top
VIA_DG#10  VIA-0.45-0.25mm  [VIA-0.45mm-0.25mm]  29.8 44.25 0 top
VIA_DG#11  VIA-0.45-0.25mm  [VIA-0.45mm-0.25mm]  29.8 39.4 0 top
VIA_DG#12  VIA-0.45-0.25mm  [VIA-0.45mm-0.25mm]  29.8 32.6 0 top
VIA_DG#13  VIA-0.45-0.25mm  [VIA-0.45mm-0.25mm]  35 32.25 0 top
VIA_DG#14  VIA-0.45-0.25mm  [VIA-0.45mm-0.25mm]  35 29.3 0 top
VIA_DG#15  VIA-0.45-0.25mm  [VIA-0.45mm-0.25mm]  43.3 33.25 0 top
X1  X_Crystal_19.2Mhz  [XTAL-4]  61.8 23.1 90 top

## Library data of the parts
AWG1 AWG2 CH1 CH2 = -: Datasheet: http://www.te.com/usa-en/product-5-1634556-0.html; Description: BNC LP ELBOW B/HEAD PCB SKT 50 OHMS; Manufacturer Part Number: 5-1634556-0; ki_fp_filters: BNC_* bnc bnc-*
C1 C2 = -: Description: MLCC - SMD/SMT 0603 100V X7R 10%; Manufacturer Part Number: C0603C223K1RACTU; ki_fp_filters: 0603
C3 C5 = -: Description: MLCC - SMD/SMT 0603 100V C0G 5%; Manufacturer Part Number: 885012006074; ki_fp_filters: 0603
C4 C6 = -: Description: MLCC - SMD/SMT 0603 50V C0G 2%; Manufacturer Part Number: C0603C361G5GACTU; ki_fp_filters: 0603
C7-C10 C15-C28 C35-C37 C40-C47 C49-C51 C54-C59 C63 C69 C80 C81 C86 C87 C90-C99 C103-C105 C115 C125 C126 C140 C142 C145 C146 C149 C150 C153-C155 C158 C159 C161-C163 C166 C168 C170 C173 C175 C230 C231 C234-C236 C238 C239 C246-C249 C251 C252 C255 C256 = -: Description: MLCC - SMD/SMT 0603 16V X7R 10%; Manufacturer Part Number: C0603C104K4RACTU; ki_fp_filters: 0603
C11 C13 = -: Description: MLCC - SMD/SMT 0603 50V C0G 2%; Manufacturer Part Number: VJ0603A391GXAPW1BC; ki_fp_filters: 0603
C12 C14 C48 C52 C181 C188 C200 C210 C213 C228 C229 = -: Description: Not populated; ki_fp_filters: 0603
C29-C32 C60-C62 C64-C68 C237 = -: Description: MLCC - SMD/SMT 0402 10V X7R 10%; Manufacturer Part Number: 885012205012; ki_fp_filters: 0603
C33 C34 = -: Description: MLCC - SMD/SMT 0603 100V C0G 0.25P; Manufacturer Part Number: C1608C0G2A020C080AA; ki_fp_filters: 0603
C38 C39 C100-C102 C107 C120 C122 C123 C148 C152 C156 C177 C244 C245 = -: Description: MLCC - SMD/SMT 0805 10V X5R 20%; Manufacturer Part Number: LMK212BBJ226MG-T; ki_fp_filters: 0603
C70 C127 C138 C139 = -: Datasheet: http://psearch.en.murata.com/capacitor/product/GRM188R60J106KE47%23.pdf; Description: MLCC - SMD/SMT 0603 6.3V X5R 10%; Manufacturer Part Number: GRM188R60J106KE47D; ki_fp_filters: 0603
C74-C79 C82-C85 C88 C89 C106 = -: Description: MLCC - SMD/SMT 0603 100V X7R 10%; Manufacturer Part Number: GCM188R72A103KA37J; ki_fp_filters: 0603
C108-C111 C128 C129 C137 C141 C144 C147 C151 C157 C165 C167 C172 C174 C176 C253 C254 = -: Description: MLCC - SMD/SMT 0603 50V C0G 5%; Manufacturer Part Number: GRM1885C1H103JA01D; ki_fp_filters: 0603
C112-C114 C130 C131 = -: Description: MLCC - SMD/SMT 0603 50V X7R 10%; Manufacturer Part Number: C1608X7R1H102K080AE; ki_fp_filters: 0603
C116-C118 C133 C134 = -: Description: MLCC - SMD/SMT 0603 50V C0G 5%; Manufacturer Part Number: C0603C181J5GACTU; ki_fp_filters: 0603
C119 C121 C135 C136 C178 C179 C227 = -: Datasheet: http://datasheets.avx.com/cx5r.pdf; Description: MLCC - SMD/SMT 1210 6.3V X5R 20%; Manufacturer Part Number: 12106D107MAT2A; ki_fp_filters: 0603
C124 C226 C250 = -: Description: MLCC - SMD/SMT 0603 6.3V X5R 10%; Manufacturer Part Number: C0603C105K9PACTU; ki_fp_filters: 0603
C132 C241-C243 = -: Description: MLCC - SMD/SMT 0603 6.3V X5R 10%; Manufacturer Part Number: GRM188R60J106KE47D; ki_fp_filters: 0603
C143 C224 C225 C232 C233 = -: Description: MLCC - SMD/SMT 0603 6.3V X5R 20%; Manufacturer Part Number: CC0603MRX5R5BB225; ki_fp_filters: 0603
C160 C164 = -: Description: MLCC - SMD/SMT 0603 50V C0G 5%; Manufacturer Part Number: CGA3E2C0G1H120J080AA; ki_fp_filters: 0603
C169 C171 = -: Datasheet: https://katalog.we-online.com/pbs/datasheet/885012205018.pdf; Description: MLCC - SMD/SMT 0402 10V X7R 10%; Manufacturer Part Number: 885012205018; ki_fp_filters: 0603
C180 C205 C206 C218 = -: Description: MLCC - SMD/SMT 1210 10V X5R 20%; Manufacturer Part Number: LMK325BJ476MM-T; ki_fp_filters: 0603
C182-C184 C196 C208 C209 = -: Description: MLCC - SMD/SMT 0805 10V X7R 10%; Manufacturer Part Number: C2012X7R1A475K125AC; ki_fp_filters: 0603
C185-C187 C192 C211 C212 = -: Description: MLCC - SMD/SMT 0603 10V X7R 15%; Manufacturer Part Number: C2012X7R1A475K125AC; ki_fp_filters: 0603
C189-C191 C193-C195 C197-C199 C201-C204 C207 C214-C217 C219-C223 = -: Description: MLCC - SMD/SMT 0603 16V X7R 10%; Manufacturer Part Number: EMK107B7474KA-T; ki_fp_filters: 0603
C240 = -: Description: MLCC - SMD/SMT 0603 6.3V X5R 20%; Manufacturer Part Number: GRM188R60J106KE47D; ki_fp_filters: 0603
CV1-CV4 = -: Datasheet: http://media.wix.com/ugd/d86717_38d9821e12823a7aa9cef38c6c2a73cc.pdf; Description: CAP TRIMMER 2.0-6.0 PF 500V SMD; Manufacturer Part Number: SGC3S060
D5 D6 D9-D11 = -: Datasheet: https://www.diodes.com/datasheets/ds30086.pdf; Description: SURFACE MOUNT FAST SWITCHING DIODE 150mA; Manufacturer Part Number: 1N4148W-7-F; ki_fp_filters: Diode_* D-Pak_TO252AA *SingleDiode *_Diode_* *SingleDiode*
D7 D8 D30-D40 D48 D49 = -: Description: Low-leakage double diode; Manufacturer Part Number: BAV199-7-F; ki_fp_filters: Diode_* D-Pak_TO252AA *SingleDiode *_Diode_* *SingleDiode*
D12-D15 = -: Datasheet: http://www.rohm.com/web/eu/datasheet/RB851Y; Description: Detection Schottky Diode, Vr=3V, Vf=0.46V; ki_fp_filters: Diode_* D-Pak_TO252AA *SingleDiode *_Diode_* *SingleDiode*
D16 = -: Datasheet: http://katalog.we-online.de/pbs/datasheet/82400102.pdf; Description: TVS Diode Array WE-TVS SOT23-6L; ki_fp_filters: 0603
D17 = -: Datasheet: http://www.littelfuse.com/~/media/electronics/datasheets/tvs_diode_arrays/littelfuse_tvs_diode_array_sp3010_datasheet.pdf.pdf; Description: SP3010 Series 0.45pF Diode Array; ki_fp_filters: 0603
D29 = -: Datasheet: https://www.diodes.com/assets/Datasheets/ds30232.pdf; Description: Low-leakage double diode; Manufacturer Part Number: BAV199-7-F; ki_fp_filters: Diode_* D-Pak_TO252AA *SingleDiode *_Diode_* *SingleDiode*
D41 = -: Datasheet: http://www.st.com/content/ccc/resource/technical/document/datasheet/fc/e4/b8/75/43/a8/49/11/CD00233088.pdf/files/CD00233088.pdf/jcr:content/translations/en.CD00233088.pdf; Description: TVS DIODE 5VWM 20VC SOD323r; ki_fp_filters: D? SO* SM*
D42-D47 D50 D51 = -: Datasheet: http://www.onsemi.com/pub/Collateral/ESD7002-D.PDF; Description: TVS DIODE 5VWM SC70 (SOT323); Manufacturer Part Number: ESD7002WTT1G
D52 = -: Datasheet: http://ww1.microchip.com/downloads/en/DeviceDoc/20005474D.pdf; Description: 1.25V High-Precision Buffered Voltage Reference SOT23-6; Manufacturer Part Number: MCP1501T-12E/CHY; ki_fp_filters: D? SO* SM*
D53 = -: Datasheet: http://ww1.microchip.com/downloads/en/DeviceDoc/20005474D.pdf; Description: 1.8V High-Precision Buffered Voltage Reference SOT23-6; Manufacturer Part Number: MCP1501T-18E/CHY; ki_fp_filters: D? SO* SM*
D54-D56 = -: Datasheet: https://www.fairchildsemi.com/products/power-management/voltage-regulators/shunt-regulators/LM431SB.html; Description: Adjustable Precision Zener Shunt Regulator; Manufacturer Part Number: LM431SBCM32X; ki_fp_filters: D? SO* SM*
D57 = -: Datasheet: http://www.onsemi.com/pub_link/Collateral/TLV431A-D.PDF; Description: Low Voltage Adjustable Precision Zener Shunt Regulator; Manufacturer Part Number: TLV431ASN1T1G; ki_fp_filters: D? SO* SM*
F1 = -: Datasheet: http://www.littelfuse.com/~/media/electronics/datasheets/resettable_ptcs/littelfuse_ptc_1206l_datasheet.pdf.pdf; Description: Resettable Fuses - PPTC PTC 6V 1206 1.5A POLYFUSE SMD THIN; Manufacturer Part Number: 1206L150THWR; ki_fp_filters: Resistor_* R_*
GDT1 GDT2 = -: Datasheet: https://www.littelfuse.com/~/media/electronics/datasheets/gas_discharge_tubes/littelfuse_gdt_sg_datasheet.pdf.pdf; Description: Gas Discharge Tube - GDT 90V 2kA <1.0 pF; Manufacturer Part Number: SG90; ki_fp_filters: 0603
GND_P2 = -: Datasheet: https://www.tme.eu/Document/0c814e212532c91d0fc3fbdcf27c7505/PCB-55%28M3%29.pdf; Description: TERMINAL PCB-55(M3); Manufacturer Part Number: PCB-55(M3)
HS2 = -: Datasheet: http://www.wakefield-vette.com/resource-center/downloads/brochures/intergrated-heatsink-wakefield.pdf; Description: Heatsink BGA 21x21 mm; Manufacturer Part Number: 624-60AB
HS-ANC1 HS-ANC2 = -: Datasheet: https://www.micforg.co.jp/dxf/S001YZ1L.pdf; Description: HEATSINK SOLDER ANCHOR; Manufacturer Part Number: ANC-D057
J1 = -: Datasheet: https://katalog.we-online.de/em/datasheet/6120xx21721.pdf; Description: CONN DIL 0.1 PITCH RIGHT ANGLE TH; Manufacturer Part Number: 61201421721
J2 = -: Datasheet: https://cdn.harwin.com/pdfs/M20-999.pdf; Description: CONN SIL 0.1 PITCH; Manufacturer Part Number: M20-9990645
L1 L7-L11 = -: Datasheet: https://katalog.we-online.com/pbs/datasheet/782853680.pdf; Description: FERRITE BEAD 68 OHM 0805 R=25m I=3A; Manufacturer Part Number: 782853680
L2-L6 = -: Datasheet: http://www.yuden.co.jp/productdata/catalog/en/wound04_e.pdf; Description: INDUCTOR 4.7uH 20% SMD 2.6A SAT 3.1A; Manufacturer Part Number: NRS5030T4R7MMGJ
LED1-LED3 = -: Datasheet: https://media.digikey.com/pdf/Data%20Sheets/Dialight%20PDFs/598_Series_0805_Pkg.pdf; Description: SMD LED 598 SERIES 0805 2V 130 mCd 140 DEG YELLOW Clear; ki_fp_filters: Diode_* D-Pak_TO252AA *SingleDiode *_Diode_* *SingleDiode*
P1 = -: Datasheet: http://katalog.we-online.de/em/datasheet/692221030100.pdf; Description: USB 3.0 Type B; Manufacturer Part Number: 692221030100; ki_fp_filters: USB*
Q1-Q3 Q6 = -: Datasheet: http://www.nxp.com/documents/data_sheet/BSS138BKS.pdf; Description: 60 V, 320 mA dual N-channel Trench MOSFET; Manufacturer Part Number: BSS138PS,115
Q4 = -: Datasheet: https://www.diodes.com/assets/Datasheets/DMN6040SSD.pdf; Description: 60 V, 4.4 A dual N-channel Trench MOSFET; Manufacturer Part Number: DMN6040SSD-13
R1 R6-R8 R44 R57 R64 R144 R152 R154-R164 R167 R169 R171 R173 R185 R186 = -: Datasheet: http://industrial.panasonic.com/cdbs/www-data/pdf/AOA0000/AOA0000CE2.pdf; Description: RES SMD 1% 1/10W 0603; Manufacturer Part Number: ERJ-3EKF1021V
R2 R3 R23-R26 R85-R88 R180 = -: Datasheet: http://industrial.panasonic.com/cdbs/www-data/pdf/AOA0000/AOA0000CE2.pdf; Description: RES SMD 1% 1/10W 0603; Manufacturer Part Number: ERJ-3EKF2400V
